# KiCad board artix-dc-scm.kicad_pcb (continued)
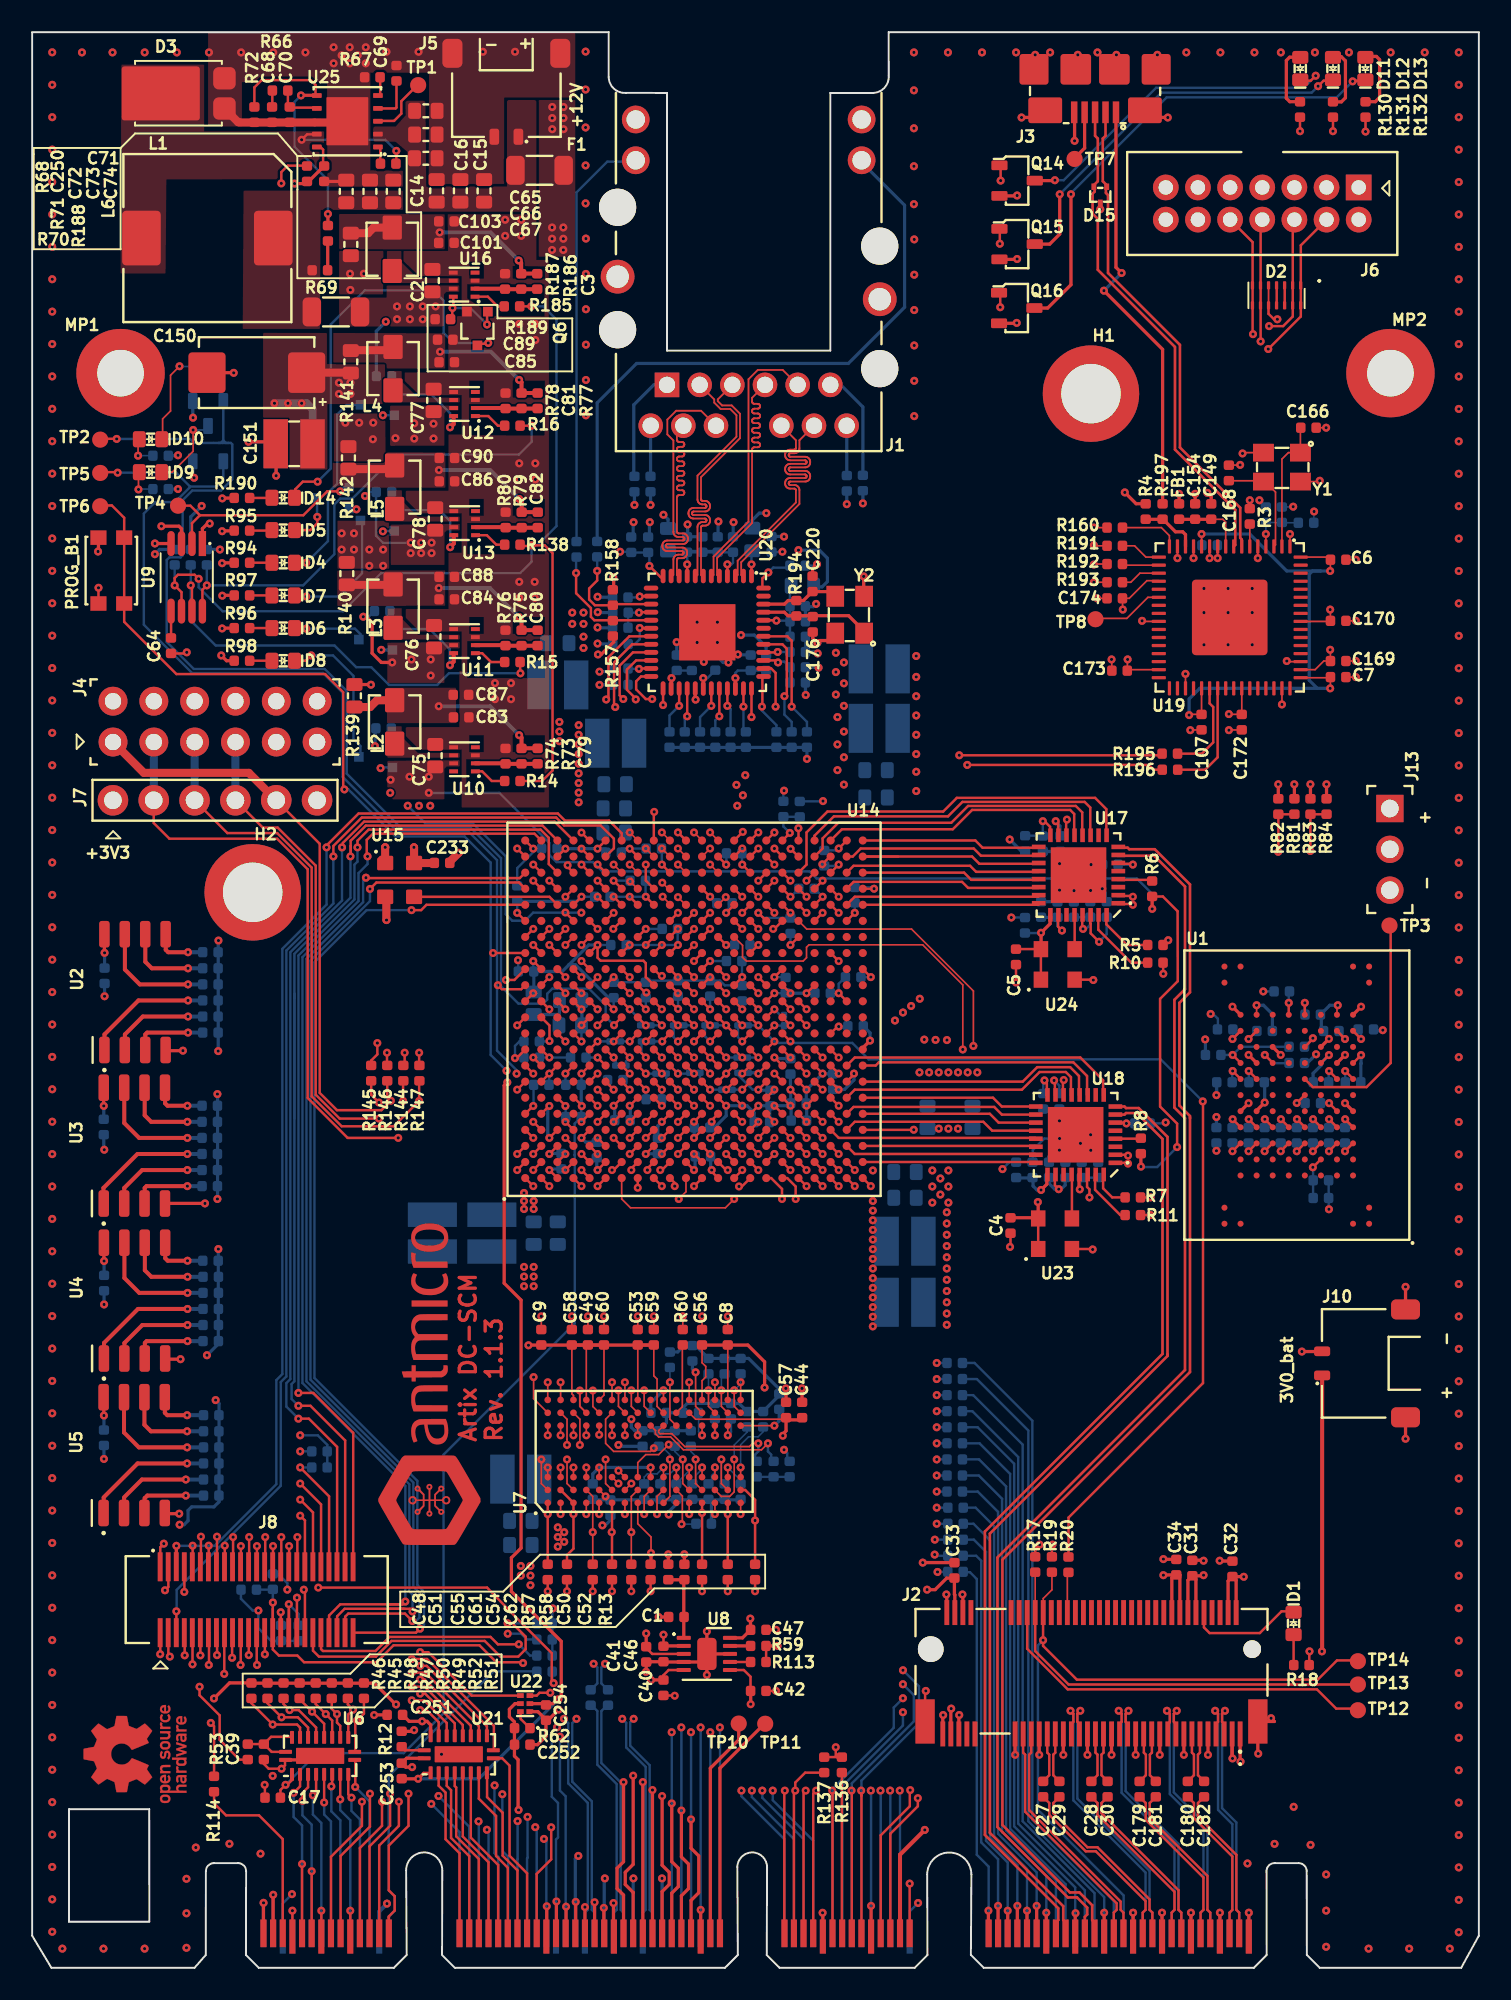
[diagram p0: board, top side]
## Routing (per net, layer and track width the routed paths; a pad name or vN(x,y) marks a point on that pad's centre or on a via; arc(x,y) is an arc through that point) (continued)
  Top w0.2: 33.21,2.21 v3(33.21,3.81)
  In2.Cu w0.15: v3(33.21,3.81) 33.21,4.83 32.09,5.95 27.96,5.95 25.53,8.38 16,8.38 12.45,11.93 12.45,19.43
  vias: v2(12.44,19.29)
QSPI0_CS1_N: length 62.7
  Top w0.15: 54.59,1.96 v2(54.59,5.24) ; v2(9.47,23.38) 9.47,23.39 9.47,24.94
  In2.Cu w0.15: v2(14.96,11.94) 15.26,11.64 15.26,11.19 16.82,9.63 26.4,9.63 28.59,7.45 32.72,7.45 32.73,7.44 52.39,7.44 v2(54.59,5.24)
  In5.Cu w0.15: v2(9.47,23.38) 9.47,21.44 9.06,21.03 9.06,15.84 12.96,11.94 v2(14.96,11.94)
QSPI0_D0: length 35.3
  Top w0.15: v2(12.96,18.84) 12.98,18.85 12.98,20.85
  Top w0.2: 33.82,2.21 v3(33.82,4.11)
  In2.Cu w0.15: v2(12.96,18.84) 12.96,11.77 16.1,8.63 25.7,8.63 28.09,6.25 32.22,6.25 33.82,4.65 v3(33.82,4.11)
QSPI0_D1: length 35.4
  Top w0.15: 13.48,20.85 v2(13.48,19.45)
  Top w0.2: 34.39,2.18 v3(34.39,3.78)
  In2.Cu w0.15: v3(34.39,3.78) 34.39,4.5 32.34,6.55 28.21,6.55 25.88,8.88 16.23,8.88 13.48,11.64 13.48,19.45 v2(13.48,19.45)
QSPI0_D2: length 35.5
  Top w0.15: 13.97,20.85 13.97,18.86 v2(13.99,18.84)
  Top w0.2: 34.99,2.18 v3(34.99,4.08)
  In2.Cu w0.15: v2(13.99,18.84) 13.98,11.56 16.41,9.13 26.05,9.13 28.34,6.85 32.57,6.85 34.99,4.43 v3(34.99,4.08)
QSPI0_D3: length 35.8
  Top w0.15: 14.48,20.85 v2(14.48,19.5)
  Top w0.2: 35.57,2.13 v3(35.57,3.73)
  In2.Cu w0.15: v2(14.48,19.5) 14.48,11.56 16.66,9.38 26.23,9.38 28.46,7.15 32.59,7.15 32.6,7.14 33.2,7.14 35.57,4.78 v3(35.57,3.73)
QSPI1_CLK: length 59.1
  Top w0.15: 44.68,52.13 v3(45.18,52.63)
  Top w0.2: 59.49,1.96 v3(59.49,3.56)
  In2.Cu w0.1: v3(45.18,52.63) 44.77,52.23 44.77,48.53 45.07,48.23 45.07,48.03
  In2.Cu w0.15: v3(59.49,3.56) 59.49,9.51 58.6,10.4 56.1,10.4 49.77,16.72 49.77,33.03 45.07,37.73 45.07,48.05
QSPI1_CS0_N: length 56.1
  Top w0.15: 44.68,50.12 v3(45.18,49.62)
  Top w0.2: 60.09,1.96 v3(60.09,3.86)
  In2.Cu w0.15: v3(45.18,49.62) 45.42,49.38 45.42,37.88 50.07,33.23 50.07,16.92 56.25,10.75 58.85,10.75 60.09,9.51 v3(60.09,3.86)
QSPI1_D0: length 57.5
  Top w0.15: 44.68,51.12 v3(45.18,50.62)
  Top w0.2: 60.69,1.96 v3(60.69,3.56)
  In2.Cu w0.15: v3(45.18,50.62) 45.41,50.39 45.41,50.09 45.72,49.78 45.72,38.08 50.37,33.43 50.37,17.07 56.35,11.1 59.2,11.1 60.69,9.61 v3(60.69,3.56)
QSPI1_D1: length 58.9
  Top w0.15: 45.68,52.13 v3(45.18,51.63)
  Top w0.2: 61.29,1.96 v3(61.29,3.86)
  In2.Cu w0.15: v3(61.29,3.86) 61.29,9.61 59.4,11.5 56.4,11.5 50.67,17.23 50.67,17.33 50.68,17.32 ; 50.68,17.23 50.68,33.59 45.98,38.29 45.98,50.18 45.6,50.55 45.6,51.2 v3(45.18,51.63)
QSPI1_D2: length 59.1
  Top w0.15: 45.68,51.12 v3(46.18,51.63)
  Top w0.2: 61.89,1.96 v3(61.89,3.56)
  In2.Cu w0.15: v3(46.18,51.63) 46.68,51.12 46.68,50.25 46.23,49.8 46.23,38.47 50.98,33.73 50.98,17.35 56.3,12.03 59.52,12.03 61.89,9.66 v3(61.89,3.56)
QSPI1_D3: length 56.2
  Top w0.15: 45.68,49.12 45.98,49.12 46.65,48.45 v3(46.65,47.83)
  Top w0.2: 62.49,1.96 v3(62.49,3.86)
  In2.Cu w0.15: v3(62.49,3.86) 62.49,9.61 59.77,12.33 56.47,12.33 51.27,17.52 51.27,33.87 46.65,38.49 v3(46.65,47.83)
QSPIA1_CS_N: length 23.1
  Top w0.15: 10.46,20.82 v2(10.46,19.44)
  Top w0.25: v2(9.64,31.37) 6.56,31.37 4.45,29.26 ; 4.45,29.21 4.45,28.2
  In5.Cu w0.15: v2(9.64,31.37) 10.64,31.37 11.38,30.62 11.38,20.36 v2(10.46,19.44)
  Bottom w0.25: 9.64,31.38 10.65,31.38
QSPIA1_D0: length 21.5
  Top w0.15: v2(11.5,19.45) 11.5,20.85 11.5,20.85
  Top w0.25: v2(9.64,34.38) 8.41,34.38 8.26,34.53 8.26,35.54
  In5.Cu w0.15: v2(9.64,34.38) 9.65,34.39 10.65,34.39 11.89,33.15 11.89,19.84 v2(11.5,19.45)
  Bottom w0.25: v2(9.64,34.38) 10.65,34.38
QSPIA1_D1: length 21.3
  Top w0.15: 9.98,20.57 9.98,18.88 v2(9.98,18.88)
  Top w0.25: 5.72,29.21 5.72,28.2 ; v2(9.56,30.38) 6.83,30.38 5.71,29.26
  In5.Cu w0.15: v2(9.98,18.88) 9.98,19.58 11.13,20.74 11.13,29.89 10.64,30.38 v2(9.56,30.38)
  Bottom w0.25: 9.64,30.38 10.65,30.38
QSPIA1_D2: length 17.7
  Top w0.15: 9.49,20.82 v2(9.49,19.44)
  Top w0.25: 6.99,29.21 6.99,28.2 ; v2(9.56,29.38) 7.17,29.38 7.01,29.23
  In5.Cu w0.15: v2(9.49,19.44) 9.49,19.45 10.88,20.84 10.88,29.12 10.62,29.38 v2(9.56,29.38)
  Bottom w0.25: 9.64,29.38 10.65,29.38
QSPIA1_D3: length 24.8
  Top w0.15: v2(10.99,18.84) 11,18.85 11,20.85 11,20.85
  Top w0.25: v2(9.64,32.38) 6.64,32.38 5.71,33.3 5.71,35.54
  In5.Cu w0.15: v2(10.99,18.84) 10.99,19.61 11.64,20.26 11.64,31.36 10.62,32.38 v2(9.64,32.38)
  Bottom w0.25: v2(9.64,32.38) 10.65,32.38
QSPIA2_CS_N: length 26.9
  Top w0.15: 10.98,24.88 v3(10.98,26.26)
  Top w0.25: 4.47,37.86 4.47,38.87 6.58,40.98 v2(9.67,40.98)
  In2.Cu w0.15: v2(9.67,40.98) 11.12,40.98 12.55,39.55 12.55,28.59 10.98,27.02 v3(10.98,26.26)
  Bottom w0.25: v2(9.67,40.98) 10.68,40.98
QSPIA2_D0: length 25.8
  Top w0.15: 12.5,25.11 12.5,26.79
  Top w0.25: 8.28,45.15 8.28,44.14 8.43,43.98 v2(9.67,43.98)
  In2.Cu w0.15: v3(12.5,26.8) 12.5,27.47 13.3,28.27 13.3,43.04 12.36,43.98 v2(9.67,43.98)
  Bottom w0.25: v2(9.67,43.98) 10.68,43.98
QSPIA2_D1: length 23.9
  Top w0.15: 10.5,25.13 10.5,26.82
  Top w0.25: v2(9.67,39.98) 6.85,39.98 5.74,38.87 5.74,37.86
  In2.Cu w0.15: v3(10.5,26.82) 10.5,26.88 12.3,28.69 12.3,38.79 11.11,39.98 v2(9.67,39.98)
  Bottom w0.25: v2(9.67,39.98) 10.68,39.98
QSPIA2_D2: length 21.5
  Top w0.15: 9.98,24.88 v3(9.98,26.26)
  Top w0.25: v2(9.67,38.98) 7.12,38.98 7.01,38.87 7.01,37.86
  In2.Cu w0.15: v2(9.67,38.98) 11.11,38.98 12.05,38.04 12.05,29 9.98,26.93 v3(9.98,26.26)
  Bottom w0.25: v2(9.67,38.98) 10.68,38.98
QSPIA2_D3: length 27.1
  Top w0.15: 11.5,25.13 11.5,26.82
  Top w0.25: v2(9.67,41.98) 6.67,41.98 5.74,42.91 5.74,45.15
  In2.Cu w0.15: v3(11.5,26.82) 11.5,27.18 12.8,28.48 12.8,40.3 11.12,41.98 v2(9.67,41.98)
  Bottom w0.25: v2(9.67,41.98) 10.68,41.98
QSPIA_CLK: length 43.7
  Top w0.15: 11.98,24.88 v3(11.98,26.26)
  Top w0.25: v2(9.67,42.98) 7.42,42.98 7.01,43.39 7.01,45.15 ; v2(9.64,33.38) 7.39,33.38 6.98,33.78 6.98,35.54
  In2.Cu w0.15: v3(11.98,26.26) 11.98,27.31 13.05,28.38 13.05,41.04 11.11,42.98 v2(9.67,42.98)
  In5.Cu w0.15: v2(9.64,33.38) 8.89,33.38 8.21,34.06 8.21,42.31 8.88,42.98 v2(9.67,42.98)
  Bottom w0.25: v2(9.67,42.98) 10.68,42.98 ; v2(9.64,33.38) 10.65,33.38
QSPIB1_CS_N: length 37.1
  Top w0.15: 13.98,24.85 v3(13.98,26.24)
  Top w0.25: v2(9.66,50.62) 6.57,50.62 ; 6.55,50.62 4.44,48.51 4.44,47.5
  In2.Cu w0.15: v3(13.98,26.24) 14.06,26.31 14.06,48.56 12,50.62 v2(9.66,50.62)
  Bottom w0.25: v2(9.66,50.62) 10.67,50.62
QSPIB1_D0: length 35.8
  Top w0.15: 14.98,24.85 v3(14.98,26.24)
  Top w0.25: 8.27,54.79 8.27,53.78 8.42,53.62 v2(9.66,53.62)
  In2.Cu w0.15: v2(9.66,53.62) 11.98,53.62 14.57,51.04 14.57,28.37 14.98,27.95 v3(14.98,26.24)
  Bottom w0.25: v2(9.66,53.62) 10.67,53.62
QSPIB1_D1: length 34.2
  Top w0.15: 13.5,25.11 13.5,26.79
  Top w0.25: v2(9.66,49.62) 6.84,49.62 5.73,48.51 5.73,47.5
  In2.Cu w0.15: v3(13.5,26.8) 13.81,27.11 13.81,47.81 12,49.62 v2(9.66,49.62)
  Bottom w0.25: v2(9.66,49.62) 10.67,49.62
QSPIB1_D2: length 31.7
  Top w0.15: 12.98,24.85 v3(12.98,26.24)
  Top w0.25: v2(9.66,48.62) 7.11,48.62 7,48.51 7,47.5
  In2.Cu w0.15: v3(12.98,26.24) 12.98,27.3 13.55,27.87 13.55,47.06 12,48.62 v2(9.66,48.62)
  Bottom w0.25: v2(9.66,48.62) 10.67,48.62
QSPIB1_D3: length 37.5
  Top w0.15: 14.5,25.11 14.5,26.79
  Top w0.25: v2(9.66,51.62) 6.66,51.62 5.73,52.55 5.73,54.79
  In2.Cu w0.15: v3(14.5,26.8) 14.31,26.98 14.31,49.3 11.99,51.62 v2(9.66,51.62)
  Bottom w0.25: v2(9.66,51.62) 10.67,51.62
QSPIB2_CS_N: length 48.3
  Top w0.15: 16.5,25.11 16.5,26.79
  Top w0.25: 4.5,57.05 4.5,58.06 6.61,60.17 v2(9.7,60.17)
  In2.Cu w0.15: v2(9.7,60.17) 13.71,60.17 15.32,58.56 15.32,28.68 16.5,27.51 v3(16.5,26.8)
  Bottom w0.25: v2(9.7,60.17) 10.71,60.17
QSPIB2_D0: length 47.6
  Top w0.15: 17.97,24.95 17.97,28.83 v3(16.68,30.12)
  Top w0.25: 8.31,64.34 8.31,63.33 8.46,63.17 v2(9.7,63.17)
  In2.Cu w0.15: v2(9.7,63.17) 13.72,63.17 16.07,60.82 16.07,30.53 16.48,30.12 v3(16.68,30.12)
  Bottom w0.25: v2(9.7,63.17) 10.71,63.17
QSPIB2_D1: length 45.7
  Top w0.15: 15.98,24.85 v3(15.98,26.24)
  Top w0.25: v2(9.7,59.17) 6.88,59.17 5.77,58.06 5.77,57.05
  In2.Cu w0.15: v2(9.7,59.17) 13.72,59.17 15.07,57.82 15.07,28.58 15.98,27.67 v3(15.98,26.24)
  Bottom w0.25: v2(9.7,59.17) 10.71,59.17
QSPIB2_D2: length 42.6
  Top w0.15: 15.5,25.11 15.5,26.79
  Top w0.25: v2(9.7,58.17) 7.15,58.17 7.04,58.06 7.04,57.05
  In2.Cu w0.15: v3(15.5,26.8) 15.5,27.8 14.82,28.48 14.82,57.07 13.72,58.17 v2(9.7,58.17)
  Bottom w0.25: v2(9.7,58.17) 10.71,58.17
QSPIB2_D3: length 49.2
  Top w0.15: v3(16.68,28.12) 16.97,27.83 16.97,24.95
  Top w0.25: v2(9.7,61.17) 6.7,61.17 5.77,62.1 5.77,64.34
  In2.Cu w0.15: v3(16.68,28.12) 15.57,29.23 15.57,59.33 13.73,61.17 v2(9.7,61.17)
  Bottom w0.25: v2(9.7,61.17) 10.71,61.17
QSPIB_CLK: length 65.4
  Top w0.15: v3(16.68,29.12) 17.47,28.33 17.47,24.95
  Top w0.25: v2(9.7,62.17) 7.45,62.17 7.04,62.58 7.04,64.34 ; v2(9.66,52.62) 7.41,52.62 7,53.03 7,54.79
  In2.Cu w0.15: v2(9.7,62.17) 13.72,62.17 15.82,60.07 15.82,29.98 v3(16.68,29.12)
  In5.Cu w0.15: v2(9.7,62.17) 10.57,62.17 10.91,61.83 10.91,53.36 10.21,52.65 9.67,52.65
  Bottom w0.25: v2(9.7,62.17) 10.71,62.17 ; v2(9.66,52.62) 10.67,52.62
RGMII_REF_CLK: length 26.5
  Top w0.1: U14.H19 37.65,67.13 v3(37.2,67.58)
  Top w0.15: 45.43,82.33 46.68,82.33 46.95,82.05 46.95,79.25 v2(46.8,79.1)
  In2.Cu w0.15: v3(37.2,67.58) 37.7,67.07 41.52,67.07 41.65,67.09 42.6,68.04 42.6,68.66 43.79,69.85 43.79,71.02 45.18,72.41 45.18,74.83 46.8,76.45 v2(46.8,79.1)
  Bottom w0.15: v2(46.8,79.1) 46.8,77.95 47.25,77.5 47.25,76.89
RGMII_RX_CLK: length 17.1
  Top w0.1: v3(39.2,67.5) 39.57,67.13 U14.K19
  Top w0.15: 44.25,79.6 v2(44.25,78.45)
  In2.Cu w0.15: v3(39.2,67.5) 40.35,67.5 41.68,68.83 41.68,74.33 44.25,76.9 v2(44.25,78.45)
  Bottom w0.15: v2(44.25,78.45) 44.25,77.04 44.4,76.89
RGMII_RX_DV: length 12.3
  Top w0.1: 41.68,70.13 v3(41.18,70.63)
  Top w0.15: 43.25,79.65 v2(43.25,78.5)
  In2.Cu w0.15: v2(43.25,78.5) 43.25,76.8 41.18,74.73 v3(41.18,70.63)
  Bottom w0.15: v2(43.25,78.5) 43.45,78.3 43.45,76.89
RGMII_RXD0: length 13.9
  Top w0.1: U14.L20 v3(40.18,68.63)
  Top w0.15: 42.75,79.65 v2(42.75,77.85)
  In2.Cu w0.15: v2(42.75,77.85) 42.75,77.2 40.75,75.2 40.75,69.2 v3(40.18,68.63)
  Bottom w0.15: 42.5,76.89 42.5,77.6 v2(42.75,77.85)
RGMII_RXD1: length 14.1
  Top w0.1: U14.L21 v3(40.18,69.63)
  Top w0.15: 42.25,79.65 v2(42.25,78.5)
  In2.Cu w0.15: v2(42.25,78.5) 42.25,78.2 41.77,77.73 41.75,77.7 41.72,77.69 41.69,77.68 41.65,77.68 41.62,77.69 41.59,77.7 41.56,77.73 41.49,77.8 41.46,77.82 41.43,77.84 41.4,77.85 41.36,77.85 41.33,77.84 41.3,77.82 41.27,77.8 41.25,77.78 41.24,77.75 41.23,77.71 41.23,77.68 41.24,77.65 41.25,77.62 41.27,77.59 41.35,77.51 41.37,77.49 41.39,77.46 41.39,77.42 41.39,77.39 41.39,77.36 41.37,77.33 41.35,77.3 40.18,76.13 v3(40.18,69.63)
  Bottom w0.15: v2(42.25,78.5) 41.55,77.8 41.55,76.89
RGMII_RXD2: length 13.9
  Top w0.1: U14.K21 v3(39.18,69.63)
  Top w0.15: 40.75,79.65 v2(40.75,77.85)
  In2.Cu w0.15: v2(40.75,77.85) 40.73,77.85 39.68,76.8 39.68,72.57 39.67,72.55 39.66,72.52 39.65,72.5 39.63,72.48 39.61,72.46 39.58,72.45 39.53,72.45 39.5,72.44 39.48,72.42 39.46,72.4 39.44,72.38 39.43,72.35 39.43,72.33 39.43,72.27 39.43,72.25 39.44,72.22 39.46,72.2 39.48,72.18 39.5,72.16 39.53,72.15 39.55,72.15 39.8,72.15 39.82,72.15 39.85,72.14 39.87,72.12 39.89,72.1 39.91,72.08 39.92,72.05 39.92,72.03 39.92,71.97 39.92,71.95 39.91,71.92 39.89,71.9 39.87,71.88 39.85,71.86 39.82,71.85 39.8,71.85 39.55,71.85 39.53,71.85 39.5,71.84 39.48,71.82 39.46,71.8 39.44,71.78 39.43,71.75 39.43,71.73 39.43,71.67 39.43,71.65 39.44,71.62 39.46,71.6 39.48,71.58 39.5,71.56 39.53,71.55 39.55,71.55 39.68,71.55 39.68,71.55 39.8,71.55 39.82,71.54 39.85,71.54 39.87,71.52 39.89,71.5 39.91,71.48 39.92,71.45 39.92,71.43 39.92,71.37 39.92,71.34 39.91,71.32 39.89,71.29 39.87,71.27 39.85,71.26 39.82,71.25 39.77,71.24 39.74,71.24 39.72,71.22 39.7,71.2 39.69,71.18 39.68,71.15 39.68,71.13 39.68,70.13 v3(39.18,69.63)
  Bottom w0.15: v2(40.75,77.85) 40.6,77.7 40.6,76.89
RGMII_RXD3: length 15.7
  Top w0.1: U14.K22 v3(39.18,70.63)
  Top w0.15: 40.25,79.65 v2(40.25,78.5)
  In2.Cu w0.15: v3(39.18,70.63) 39.18,72.68 39.18,72.71 39.19,72.73 39.2,72.75 39.22,72.77 39.24,72.79 39.27,72.8 39.32,72.8 39.35,72.81 39.37,72.83 39.39,72.85 39.41,72.87 39.42,72.89 39.42,72.92 39.42,72.98 39.42,73.01 39.41,73.03 39.39,73.05 39.37,73.07 39.35,73.09 39.32,73.1 39.3,73.1 39.05,73.1 39.03,73.1 39,73.11 38.98,73.13 38.96,73.15 38.94,73.17 38.93,73.19 38.93,73.22 38.93,73.28 38.93,73.31 38.94,73.33 38.96,73.35 38.98,73.37 39,73.39 39.03,73.4 39.05,73.4 39.3,73.4 39.32,73.4 39.35,73.41 39.37,73.43 39.39,73.45 39.41,73.47 39.42,73.49 39.42,73.52 39.42,73.58 39.42,73.61 39.41,73.63 39.39,73.65 39.37,73.67 39.35,73.69 39.32,73.7 39.3,73.7 39.05,73.7 39.03,73.7 39,73.71 38.98,73.73 38.96,73.75 38.94,73.77 38.93,73.79 38.93,73.82 38.93,73.88 38.93,73.91 38.94,73.93 38.96,73.95 38.98,73.97 39,73.99 39.03,74 39.05,74 39.3,74 39.32,74 39.35,74.01 39.37,74.03 39.39,74.05 39.41,74.07 39.42,74.09 39.42,74.12 39.42,74.18 39.42,74.21 39.41,74.23 39.39,74.25 39.37,74.27 39.35,74.29 39.32,74.3 39.3,74.3 39.05,74.3 39.03,74.3 39,74.31 38.98,74.33 38.96,74.35 38.94,74.37 38.93,74.39 38.93,74.42 38.93,74.48 38.93,74.51 38.94,74.53 38.96,74.55 38.98,74.57 39,74.59 39.03,74.6 39.05,74.6 39.3,74.6 39.32,74.6 39.35,74.61 39.37,74.63 39.39,74.65 39.41,74.67 39.42,74.69 39.42,74.72 39.42,74.78 39.42,74.81 39.41,74.83 39.39,74.85 39.37,74.87 39.35,74.89 39.32,74.9 39.3,74.9 39.05,74.9 39.03,74.9 39,74.91 38.98,74.93 38.96,74.95 38.94,74.97 38.93,74.99 38.93,75.02 38.93,75.08 38.93,75.11 38.94,75.13 38.96,75.15 38.98,75.17 39,75.19 39.03,75.2 39.05,75.2 39.3,75.2 39.32,75.2 39.35,75.21 39.37,75.23 39.39,75.25 39.41,75.27 39.42,75.29 39.42,75.32 39.42,75.38 39.42,75.41 39.41,75.43 39.39,75.45 39.37,75.47 39.35,75.49 39.32,75.5 39.3,75.5 39.18,75.5 39.18,75.5 39.05,75.5 39.03,75.51 39,75.52 38.98,75.53 38.96,75.55 38.94,75.57 38.93,75.6 38.93,75.63 38.93,75.68 38.93,75.71 38.94,75.73 38.96,75.76 38.98,75.78 39,75.79 39.03,75.8 39.08,75.81 39.11,75.82 39.13,75.83 39.15,75.85 39.16,75.87 39.17,75.9 39.18,75.93 39.18,77.13 40.25,78.2 v2(40.25,78.5)
  Bottom w0.15: v2(40.25,78.5) 39.65,77.9 39.65,76.89
RGMII_TX_CLK: length 17.8
  Top w0.15: v2(38.57,78.92) 38.18,78.92 37.57,79.53 37.57,80.03 37.87,80.33 38.57,80.33 ; v3(38.18,68.63) 38.18,67.63 U14.J19
  In2.Cu w0.15: 38.18,70.53 38.75,69.95 38.75,69.2 v3(38.18,68.63) ; v2(38.57,78.92) 38.18,78.53 38.18,75.43 38.17,75.39 38.16,75.36 38.14,75.33 38.12,75.31 38.09,75.29 38.06,75.28 38.02,75.28 37.75,75.28 37.71,75.27 37.68,75.26 37.65,75.24 37.63,75.22 37.61,75.19 37.6,75.16 37.6,75.13 37.6,75.09 37.61,75.06 37.63,75.03 37.65,75.01 37.68,74.99 37.71,74.98 37.75,74.98 38.29,74.98 38.32,74.97 38.34,74.96 38.36,74.95 38.38,74.93 38.39,74.91 38.4,74.89 38.4,74.86 38.4,74.79 38.4,74.76 38.39,74.74 38.38,74.72 38.36,74.7 38.34,74.69 38.32,74.68 38.29,74.68 37.75,74.68 37.71,74.67 37.68,74.66 37.65,74.64 37.63,74.62 37.61,74.59 37.6,74.56 37.6,74.53 37.6,74.49 37.61,74.46 37.63,74.43 37.65,74.41 37.68,74.39 37.71,74.38 37.75,74.38 38.02,74.38 38.06,74.37 38.09,74.36 38.12,74.34 38.14,74.32 38.16,74.29 38.17,74.26 38.18,74.23 38.18,70.54
RGMII_TX_DV: length 9.8
  Top w0.15: U14.J22 38.68,71.88 v3(38.7,71.91) ; 39.25,79.65 v2(39.25,78.55)
  In2.Cu w0.15: v2(39.25,78.55) 38.68,77.98 38.68,71.93 v3(38.7,71.91)
RGMII_TXD0: length 17.1
  Top w0.1: U14.G20 v3(36.18,68.63)
  Top w0.15: 38.57,82.83 37.15,82.83 35.85,81.52 35.85,79.03 v2(35.71,78.89)
  In2.Cu w0.15: v3(36.18,68.63) 36.18,70.23 35.71,70.69 v2(35.71,78.89)
RGMII_TXD1: length 16.4
  Top w0.1: U14.H20 v3(37.18,68.63)
  Top w0.15: 36.2,81.08 36.2,78.5 v2(36.27,78.43) ; 38.57,82.33 37.32,82.33 36.2,81.2
  In2.Cu w0.15: v2(36.27,78.43) 36.27,70.98 36.68,70.58 36.68,69.13 v3(37.18,68.63)
RGMII_TXD2: length 13.7
  Top w0.1: U14.H22 v3(37.18,70.63)
  Top w0.15: 38.57,81.83 37.37,81.83 36.55,81 36.55,79.15 v2(36.77,78.93)
  In2.Cu w0.15: v2(36.77,78.93) 36.77,71.03 v3(37.18,70.63)
RGMII_TXD3: length 17.5
  Top w0.1: U14.J21 v3(38.18,69.63)
  Top w0.15: 38.57,81.33 37.57,81.33 37,80.75 37,79.5 37.57,78.93
  In2.Cu w0.15: v3(38.18,69.63) 37.68,70.13 37.68,70.93 37.3,71.3 37.3,75.6 37.3,75.63 37.29,75.65 37.27,75.68 37.25,75.7 37.23,75.71 37.2,75.72 37.15,75.73 37.12,75.74 37.1,75.75 37.08,75.77 37.06,75.8 37.05,75.82 37.05,75.85 37.05,75.9 37.05,75.93 37.06,75.95 37.08,75.98 37.1,76 37.12,76.01 37.15,76.02 37.18,76.03 37.75,76.03 37.78,76.03 37.82,76.04 37.84,76.06 37.87,76.08 37.89,76.11 37.9,76.14 37.9,76.18 37.9,76.21 37.89,76.24 37.87,76.27 37.84,76.29 37.82,76.31 37.78,76.32 37.75,76.33 37.18,76.33 37.15,76.33 37.12,76.34 37.1,76.35 37.08,76.37 37.06,76.4 37.05,76.42 37.05,76.45 37.05,76.5 37.05,76.53 37.06,76.55 37.08,76.58 37.1,76.6 37.12,76.61 37.15,76.62 37.18,76.63 37.75,76.63 37.78,76.63 37.82,76.64 37.84,76.66 37.87,76.68 37.89,76.71 37.9,76.74 37.9,76.78 37.9,76.81 37.89,76.84 37.87,76.87 37.84,76.89 37.82,76.91 37.78,76.92 37.75,76.93 37.18,76.93 37.15,76.93 37.12,76.94 37.1,76.95 37.08,76.97 37.06,77 37.05,77.02 37.05,77.05 37.05,77.1 37.05,77.13 37.06,77.15 37.08,77.18 37.1,77.2 37.12,77.21 37.15,77.22 37.2,77.23 37.23,77.24 37.25,77.25 37.27,77.27 37.29,77.3 37.3,77.32 37.3,77.35 37.3,78.65 v2(37.55,78.9)
RoT_CPU_RST_N_R: length 18.9
  Top w0.15: 49.68,49.12 v3(50.18,48.62)
  In2.Cu w0.15: v2(56.27,34.62) 54.57,34.62 50.18,39.03 v3(50.18,48.62)
  Bottom w0.15: 56.91,34.62 v2(56.27,34.62)
ROT_GPIO1: length 70.1
  Top w0.15: 18.32,69.81 20.31,71.8 32.71,71.8 33.15,71.36 35.89,71.36 36.68,70.58 U14.G22
  Top w0.2: 8.97,24.95 8.97,26.25 v2(8.98,26.25)
  Bottom w0.15: v2(8.98,26.25) 11.35,26.25 15.19,30.09 15.19,36.56 15.56,36.93 15.56,63.38 18.32,66.14 v2(18.32,69.7)
ROT_GPIO2: length 72.8
  Top w0.15: 18.74,69.36 18.74,69.79 20.51,71.55 32.6,71.55 33.09,71.06 35.37,71.06 36.19,70.24 36.19,69.64 U14.F21 ; 8.97,20.85 v2(8.97,22.18)
  Bottom w0.15: v2(18.74,69.14) 18.74,66.21 15.81,63.28 15.81,36.78 15.46,36.44 15.46,29.99 8.99,23.51 8.99,22.2 v2(8.97,22.18)
ROT_MISO: length 70.6
  Top w0.15: 19.82,69.79 19.82,69.39 ; 19.82,69.79 19.82,69.15 v2(19.8,69.14) ; 19.82,69.79 19.82,70.11 20.76,71.05 31.75,71.05 U14.C22 ; v2(16.57,34.96) 17.32,34.96 19.47,32.8 19.47,24.95
  Bottom w0.15: 16.31,60.31 16.31,60.61 16.31,52.81 ; 16.31,60.31 16.31,63.07 19.8,66.56 v2(19.8,69.14) ; 16.31,60.31 16.31,36.48 16.14,36.31 16.14,35.39 v2(16.57,34.96)
ROT_MOSI: length 63.2
  Top w0.15: 20.24,69.87 20.24,70.11 20.93,70.8 31.63,70.8 32.14,70.29 32.14,68.66 U14.C20 ; 19.97,24.95 19.97,33.28 17.49,35.76 v2(16.57,35.76)
  Bottom w0.15: v2(20.24,69.7) 20.24,68.81 20.05,68.62 20.05,66.46 16.57,62.97 v2(16.57,35.76)
ROT_QSPI_CS_B: length 7.6
  Top w0.15: 18.47,24.95 18.47,29.33 v2(16.68,31.12)
  Bottom w0.15: 17.37,31.12 v2(16.68,31.12)
ROT_QSPI_DQ0: length 70.7
  Top w0.15: 43.68,70.13 v4(44.21,70.66) ; 16.97,23.52 v2(16.9,23.52) 16.97,23.45 16.97,20.85
  In5.Cu w0.15: v4(44.21,70.66) 43.85,71.03 30.27,71.03 17.25,58.01 17.25,23.87 v2(16.9,23.52)
ROT_QSPI_DQ1: length 72
  Top w0.15: v2(16.48,23.03) 16.47,23.02 16.47,20.85 ; 44.68,70.13 v4(45.18,70.63)
  In5.Cu w0.15: v2(16.48,23.03) 17.2,23.03 17.55,23.38 17.55,57.89 30.39,70.73 43.47,70.73 44.1,70.1 44.65,70.1 v4(45.18,70.63)
ROT_QSPI_DQ2: length 74.2
  Top w0.15: 15.97,22.32 15.97,20.85 15.97,22.61 v2(15.97,22.62) ; 43.68,69.13 v4(44.18,69.63)
  In5.Cu w0.15: v4(44.18,69.63) 43.82,69.63 43.02,70.42 30.51,70.42 17.85,57.76 17.85,23.12 17.28,22.55 16.04,22.55 v2(15.97,22.62)
  Bottom w0.15: v2(15.97,22.62) 16.57,22.01 16.57,21.31
ROT_QSPI_DQ3: length 73.3
  Top w0.15: 15.47,20.85 15.47,22.11 v2(15.47,22.12) ; 44.68,69.13 v4(45.18,69.63)
  In5.Cu w0.15: v2(15.47,22.12) 17.27,22.12 18.15,23 18.15,57.64 30.6,70.09 42.91,70.09 43.87,69.13 44.68,69.13 v4(45.18,69.63)
  Bottom w0.15: v2(15.47,22.12) 15.48,22.11 15.48,21.31
ROT_QSPI_SCK: length 80
  Top w0.15: 14.97,20.85 14.97,22.72 v2(14.98,22.73) ; 14.97,20.85 14.97,19.8 15.35,19.43 16.5,19.43 16.91,19.01 21.43,19.01 22.48,20.06 27.82,20.06 28.88,19.01 30.49,19.01 v2(30.54,18.96) ; 14.97,20.85 14.97,22.32 14.97,22.32 ; U14.L12 v4(41.18,59.63)
  In5.Cu w0.15: v4(41.18,59.63) 40.7,59.15 31.9,59.15 31.7,58.95 29.35,58.95 25.05,54.65 25.05,24.3 30.39,18.96 v2(30.54,18.96)
  Bottom w0.15: 13.96,23.53 14.96,23.53 14.98,23.54 v2(14.98,22.73)
ROT_RDY\ROT_GPIO0: length 69.8
  Top w0.15: U14.B22 31.25,70.55 21.21,70.55 20.82,70.16 20.82,69.26 20.87,69.21 ; 22.24,22.61 19.16,22.61 18.47,21.92 18.47,20.85 ; 22.24,22.61 23.04,22.61 v2(23.21,22.78) ; 22.24,22.61 23.07,22.61
  Bottom w0.15: v2(20.87,69.14) 20.87,68.66 20.3,68.1 20.3,66.35 16.82,62.87 16.82,36.38 23.21,29.98 v2(23.21,22.78)
ROT_RX: length 65.6
  Top w0.15: v2(21.01,67.11) 21.41,67.51 30.29,67.51 U14.A19 ; v2(23.65,21.57) 23.19,22.04 19.66,22.04 19.47,21.84 19.47,20.85
  Bottom w0.15: v2(23.65,21.57) 23.88,21.57 24.09,21.79 24.09,23.33 23.71,23.71 23.71,30.18 17.32,36.58 17.32,62.66 21.01,66.36 v2(21.01,67.11)
ROT_SCLK: length 63.2
  Top w0.15: v2(23.6,65.79) 24.2,65.79 24.53,66.13 U14.A18 ; 19.97,20.85 23.88,20.85 v2(24.13,21.1)
  Bottom w0.15: v2(24.13,21.1) 24.38,21.35 24.38,23.4 23.97,23.81 23.97,30.29 17.57,36.69 17.57,62.55 20.8,65.79 v2(23.6,65.79)
ROT_SS: length 63.5
  Top w0.15: U14.D22 32.5,71.3 20.66,71.3 19.33,69.97 19.33,69.77 ; 18.97,24.95 18.97,32.4 17.21,34.16 v2(16.57,34.16)
  Bottom w0.15: v2(19.28,69.7) 19.28,66.39 16.06,63.18 16.06,36.62 15.82,36.37 15.82,34.91 v2(16.57,34.16)
ROT_TX: length 66.9
  Top w0.15: 22.24,22.34 23.5,22.34 v2(23.67,22.17) ; 22.24,22.34 19.44,22.34 18.97,21.87 18.97,20.85 ; 22.24,22.34 23.19,22.34 ; U14.A20 30.34,67.79 20.79,67.79 v2(20.76,67.81)
  Bottom w0.15: v2(23.67,22.17) 23.67,23.21 23.46,23.41 23.46,30.08 17.07,36.48 17.07,62.76 17.72,63.41 17.72,63.41 20.59,66.29 20.59,67.64 v2(20.76,67.81)
RST_PLTRST_BUF_N_R: length 21.1
  Top w0.15: 48.68,49.12 v3(49.18,48.62)
  In2.Cu w0.15: v2(56.27,32.62) 54.79,32.62 53.37,34.05 53.37,34.93 49.18,39.12 v3(49.18,48.62)
  Bottom w0.15: 56.91,32.62 v2(56.27,32.62)
RSVD2: length 44.2
  Top w0.15: v4(49.99,13.73) 49.99,13.17 50.05,13.11 50.37,13.11 49.27,13.11 ; 49.68,55.13 v4(50.18,54.63)
  In5.Cu w0.15: v4(50.18,54.63) 50.67,54.13 50.67,51.28 50.09,50.7 50.09,13.83 v4(49.99,13.73)
SGPIO0_CLK: length 54.8
  Top w0.15: 49.27,12.14 48.09,12.14 47.47,11.53 v4(47.47,11.03) ; 47.39,1.96 47.39,11.01 ; 48.68,53.13 v4(49.18,52.63)
  In5.Cu w0.15: v4(47.47,11.03) 47.47,13.7 48.87,15.1 ; 48.87,15.12 48.87,51.15 48.67,51.35 48.67,52.13 48.68,52.13 v4(49.18,52.63)
SGPIO0_DI: length 50.8
  Top w0.15: 47.99,1.96 47.99,11.01 ; 48.68,52.13 v4(49.18,51.63)
  In5.Cu w0.15: v4(48.12,11.03) 48.12,13.88 49.17,14.93 49.17,51.62 v4(49.18,51.63)
SGPIO0_DO: length 52.3
  Top w0.15: 46.79,1.96 46.79,11.01 ; 47.68,53.13 v4(48.18,52.63)
  In5.Cu w0.15: v4(48.18,52.63) 48.18,51.42 48.57,51.03 48.57,15.23 46.82,13.48 v4(46.82,11.03)
SGPIO0_LD: length 54.4
  Top w0.15: 47.68,55.13 v4(48.18,54.63) ; 48.59,1.96 48.59,10.84 v4(48.77,11.03)
  In5.Cu w0.15: v4(48.77,11.03) 48.77,11.03 48.77,14.03 49.47,14.73 49.47,50.93 49.67,51.12 49.67,53.13 v4(48.18,54.63)
SGPIO1_DI: length 55.2
  Top w0.15: 49.68,56.13 v4(50.18,55.63) ; 50.99,1.96 50.99,11.01 v4(50.97,11.03)
  In5.Cu w0.15: v4(50.97,11.03) 50.42,11.58 50.42,50.62 50.97,51.18 50.97,54.47 50.18,55.27 v4(50.18,55.63)
SGPIO1_DO: length 52.7
  Top w0.15: 49.79,1.96 49.79,11.01 ; 49.68,54.13 v4(50.18,53.63)
  In5.Cu w0.15: v4(50.18,53.63) 50.18,51.2 49.77,50.8 49.77,14.13 49.52,13.88 49.52,11.27 v4(49.77,11.03)
SGPIO1_LD: length 56.6
  Top w0.15: 51.59,10.71 51.59,11.01 v4(51.57,11.03) ; 51.59,10.71 51.59,1.96 ; 51.59,10.71 51.59,10.89 ; 49.68,57.13 v4(50.18,56.63)
  In5.Cu w0.15: v4(51.57,11.03) 51.57,11.38 50.72,12.23 50.72,50.53 51.27,51.09 51.27,54.58 50.62,55.23 50.62,56.18 v4(50.18,56.63)
SGPIO_INTR_N: length 69.1
  Top w0.15: 53.39,1.96 53.39,8.34 55.1,10.06 v4(55.1,10.56) ; 46.68,55.13 v4(46.18,55.63)
  In5.Cu w0.15: v4(55.1,10.56) 55.1,13.96 53.07,15.98 53.07,21.58 53.72,22.22 53.72,50.23 53.07,50.88 53.07,57.69 50.94,59.83 48.52,59.83 47.18,58.48 47.18,56.63 v4(46.18,55.63)
SGPIO_RESET_N: length 70.4
  Top w0.15: 46.68,53.13 v4(46.18,53.63) ; 52.79,1.96 52.79,8.25 54.6,10.06 54.6,11.03 v4(54.62,11.06)
  In5.Cu w0.15: 47.12,55.48 47.48,55.83 47.48,58.43 48.62,59.58 50.84,59.58 52.77,57.64 52.77,50.82 53.42,50.18 53.42,22.42 52.77,21.78 52.77,15.79 54.62,13.94 v4(54.62,11.06)
  In5.Cu w0.2: 47.12,55.48 46.68,55.03 46.68,54.13 v4(46.18,53.63)
SPARE0_R: length 17.1
  Top w0.15: 50.68,49.12 v3(51.18,48.62)
  In2.Cu w0.15: v2(56.27,36.62) 53.52,36.62 51.18,38.98 v3(51.18,48.62)
  Bottom w0.15: 56.91,36.62 v2(56.27,36.62)
SPARE1_R: length 21
  Top w0.15: 49.68,50.12 v3(50.18,49.62)
  In2.Cu w0.15: v2(56.27,33.62) 55.12,33.62 49.6,39.15 49.6,49.05 v3(50.18,49.62)
  Bottom w0.15: 56.91,33.62 v2(56.27,33.62)
SPI0_CLK: length 83.5
  Top w0.15: v3(21.57,52.83) 19.13,52.83 17.64,54.32 17.64,68.56 15.27,70.93 14.34,70.93 J7.4 ; v3(21.76,10.34) 21.76,8.84 20.39,7.46 20.39,1.96 ; 21.09,55.17 21.09,54.31 v3(21.57,53.83)
  In2.Cu w0.15: 21.57,52.63 v3(21.57,52.83) ; 21.57,52.63 v3(21.57,53.83) ; 21.57,52.63 21.46,52.51 21.46,10.64 v3(21.76,10.34)
  Bottom w0.5: 12.65,76.25 12.65,76.25 J7.4
